# Allegro board pc065c_fibv2_toplevel_13_fix.brd (continued)
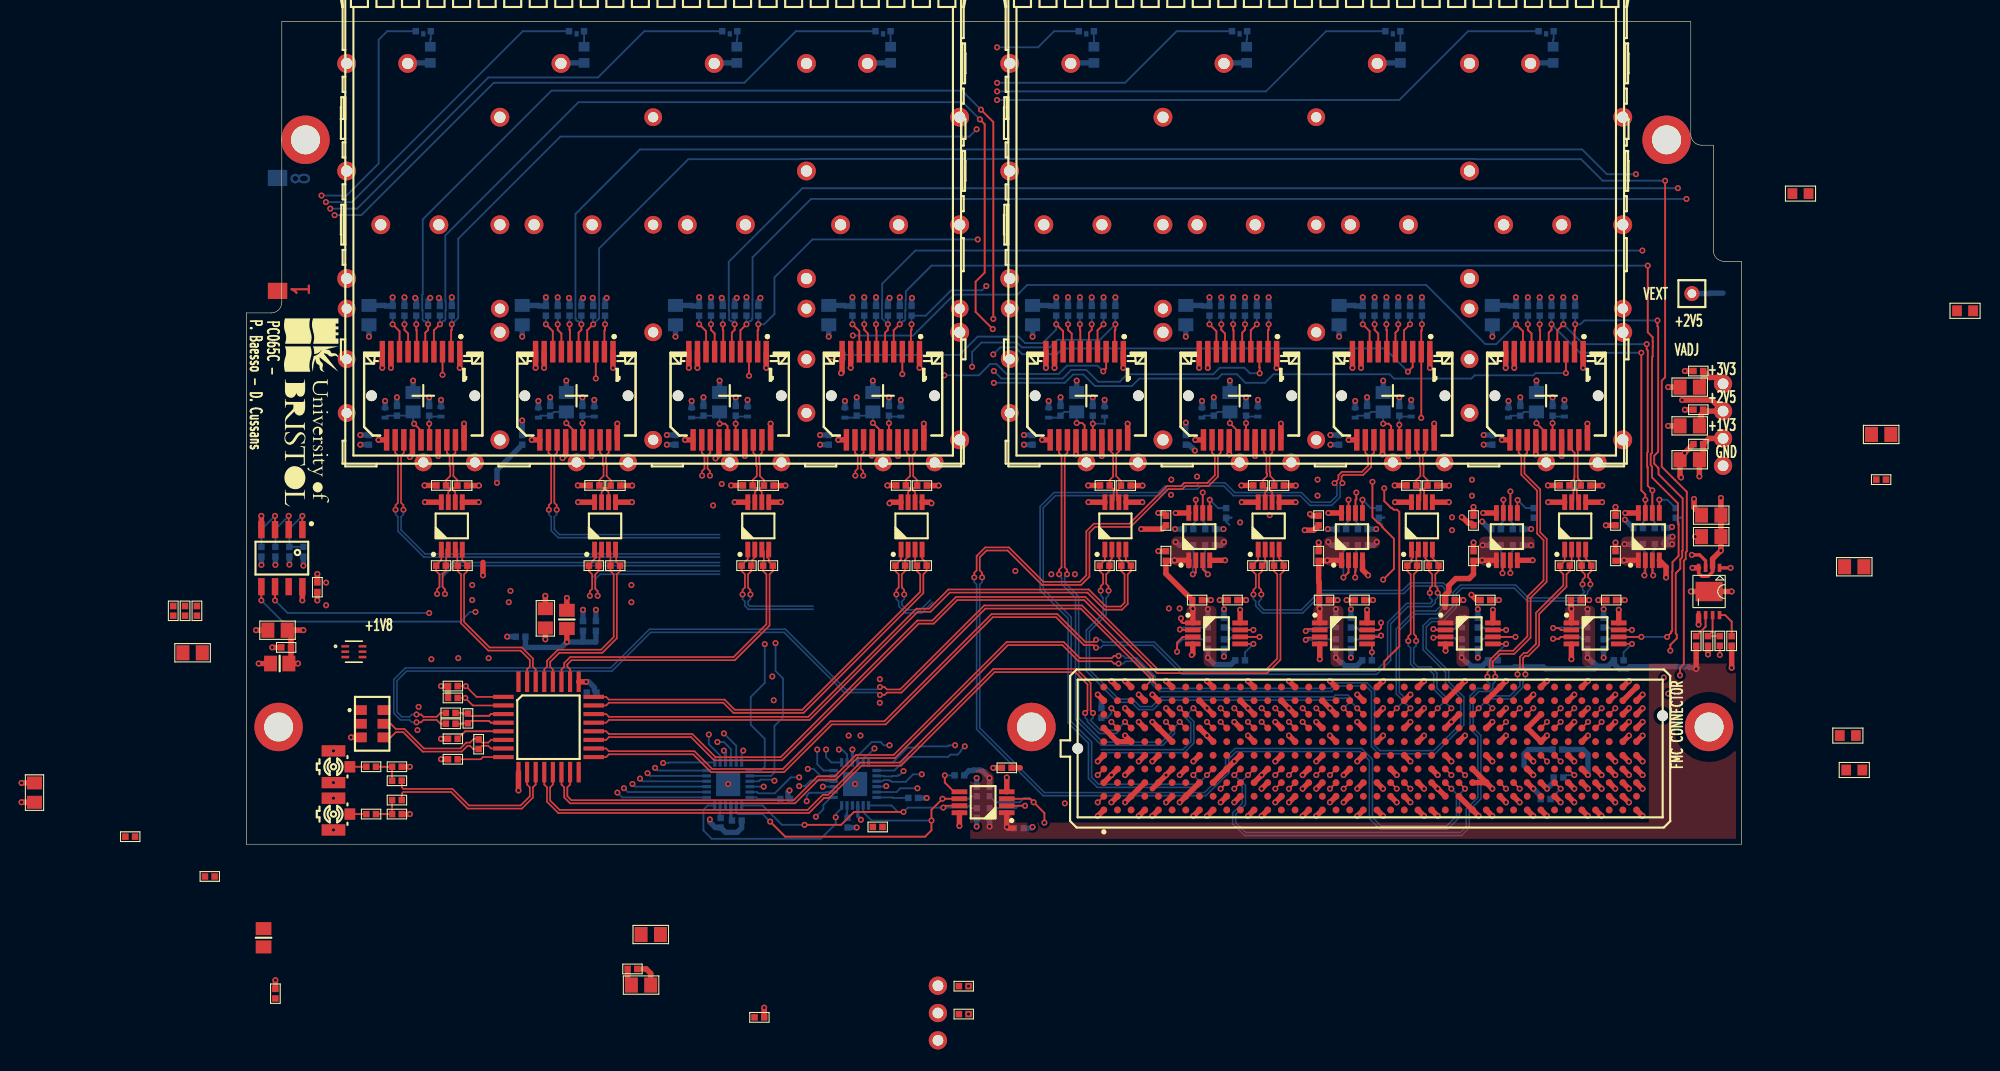
[diagram p0: board, top side]
## Nets (continued)
HB_N<16>: J2.F35
HB_N<17>: J2.K38
HB_N<18>: J2.J37
HB_N<19>: J2.E34
HB_N<20>: J2.F38
HB_N<21>: J2.E37
HB_P<0>: J2.K25
HB_P<1>: J2.J24
HB_P<2>: J2.F22
HB_P<3>: J2.E21
HB_P<4>: J2.F25
HB_P<5>: J2.E24
HB_P<6>: J2.K28
HB_P<7>: J2.J27
HB_P<8>: J2.F28
HB_P<9>: J2.E27
HB_P<10>: J2.K31
HB_P<11>: J2.J30
HB_P<12>: J2.F31
HB_P<13>: J2.E30
HB_P<14>: J2.K34
HB_P<15>: J2.J33
HB_P<16>: J2.F34
HB_P<17>: J2.K37
HB_P<18>: J2.J36
HB_P<19>: J2.E33
HB_P<20>: J2.F37
HB_P<21>: J2.E36
I2C_LED_0: DS1.2 IC23.1
I2C_LED_1: DS2.2 IC23.2
I2C_LED_2: DS3.2 IC23.3
I2C_LED_3: DS4.2 IC23.4
I2C_LED_4: DS5.2 IC23.5
I2C_LED_5: DS6.2 IC23.6
I2C_LED_6: DS7.2 IC23.7
I2C_LED_7: DS8.2 IC23.8
I2C_SCL: IC1.6 IC2.1 IC10.19 IC11.7 IC23.19 J1.2 R8.1 R94.1 R135.1
I2C_SCL_CVCC: IC11.2 J2.C30 R132.1
I2C_SDA: IC1.5 IC2.6 IC10.20(SDA) IC11.6 IC23.20(SDA) J1.3(A<2>) R10.1 R93.1 R134.1
I2C_SDA_CVCC: IC11.3 J2.C31 R131.1
MOD_ABS: J7.6 R26.1
MOD_ABS_1: J12.6 R38.1
MOD_ABS_2: J16.6 R46.1
MOD_ABS_3: J20.6 R54.1
MOD_ABS_4: J24.6 R103.1
MOD_ABS_5: J28.6 R111.1
MOD_ABS_6: J32.6 R119.1
MOD_ABS_7: J36.6 R127.1
PG_M2C: J2.F1
PGOOD_C2M: J2.D1 R62.1
PRSNT_L: J2.H2 R15.2(B<0>)
RD_FPGA_N<0>: J2.G10 J7.12
RD_FPGA_N<1>: J2.H32 J12.12
RD_FPGA_N<2>: J2.H35 J16.12
RD_FPGA_N<3>: J2.G13 J20.12
RD_FPGA_N<4>: J2.G7 J36.12
RD_FPGA_N<5>: J2.C27 J32.12
RD_FPGA_N<6>: J2.D9 J28.12
RD_FPGA_N<7>: J2.D12 J24.12
RD_FPGA_P<0>: J2.G9 J7.13
RD_FPGA_P<1>: J2.H31 J12.13
RD_FPGA_P<2>: J2.H34 J16.13
RD_FPGA_P<3>: J2.G12 J20.13
RD_FPGA_P<4>: J2.G6 J36.13
RD_FPGA_P<5>: J2.C26 J32.13
RD_FPGA_P<6>: J2.D8 J28.13
RD_FPGA_P<7>: J2.D11 J24.13
REC_CLK_FPGA_N: J2.H5
REC_CLK_FPGA_P: J2.H4
RST_I2C_B: IC10.24 IC23.24
RST_I2C_B_CVCC: J2.G31
SFP_FAULT<0>: IC10.10 J7.2 R24.2(B<0>)
SFP_FAULT<1>: IC10.11 J12.2 R36.2(B<0>)
SFP_FAULT<2>: IC10.12 J16.2 R44.2(B<0>)
SFP_FAULT<3>: IC10.13 J20.2 R52.2(B<0>)
SFP_FAULT<4>: IC10.14 J36.2 R125.2(B<0>)
SFP_FAULT<5>: IC10.15 J32.2 R117.2(B<0>)
SFP_FAULT<6>: IC10.16 J28.2 R109.2(B<0>)
SFP_FAULT<7>: IC10.17 J24.2 R101.2(B<0>)
SFP_I2C_SCL<0>: IC12.7 J7.5 R27.1 R140.1
SFP_I2C_SCL<1>: IC14.7 J12.5 R39.1 R145.1
SFP_I2C_SCL<2>: IC15.7 J16.5 R47.1 R150.1
SFP_I2C_SCL<3>: IC16.7 J20.5 R55.1 R155.1
SFP_I2C_SCL<4>: IC17.7 J36.5 R128.1 R160.1
SFP_I2C_SCL<5>: IC18.7 J32.5 R120.1 R165.1
SFP_I2C_SCL<6>: IC19.7 J28.5 R112.1 R170.1
SFP_I2C_SCL<7>: IC20.7 J24.5 R104.1 R175.1
SFP_I2C_SCL_CVCC<0>: IC12.2 J2.C11 R137.1
SFP_I2C_SCL_CVCC<1>: IC14.2 J2.G16 R142.1
SFP_I2C_SCL_CVCC<2>: IC15.2 J2.C15 R147.1
SFP_I2C_SCL_CVCC<3>: IC16.2 J2.G34 R152.1
SFP_I2C_SCL_CVCC<4>: IC17.2 J2.C19 R157.1
SFP_I2C_SCL_CVCC<5>: IC18.2 J2.D15 R162.1
SFP_I2C_SCL_CVCC<6>: IC19.2 J2.C23 R167.1
SFP_I2C_SCL_CVCC<7>: IC20.2 J2.G37 R172.1
SFP_I2C_SDA<0>: IC12.6 J7.4 R28.1 R139.1
SFP_I2C_SDA<1>: IC14.6 J12.4 R40.1 R144.1
SFP_I2C_SDA<2>: IC15.6 J16.4 R48.1 R149.1
SFP_I2C_SDA<3>: IC16.6 J20.4 R56.1 R154.1
SFP_I2C_SDA<4>: IC17.6 J36.4 R129.1 R159.1
SFP_I2C_SDA<5>: IC18.6 J32.4 R121.1 R164.1
SFP_I2C_SDA<6>: IC19.6 J28.4 R113.1 R169.1
SFP_I2C_SDA<7>: IC20.6 J24.4 R105.1 R174.1
SFP_I2C_SDA_CVCC<0>: IC12.3 J2.C10 R136.1
SFP_I2C_SDA_CVCC<1>: IC14.3 J2.G15 R141.1
SFP_I2C_SDA_CVCC<2>: IC15.3 J2.C14 R146.1
SFP_I2C_SDA_CVCC<3>: IC16.3 J2.G33 R151.1
SFP_I2C_SDA_CVCC<4>: IC17.3 J2.C18 R156.1
SFP_I2C_SDA_CVCC<5>: IC18.3 J2.D14 R161.1
SFP_I2C_SDA_CVCC<6>: IC19.3 J2.C22 R166.1
SFP_I2C_SDA_CVCC<7>: IC20.3 J2.G36 R171.1
SFP_LOS<0>: IC23.10 J7.8 R25.2(B<0>)
SFP_LOS<1>: IC23.11 J12.8 R37.2(B<0>)
SFP_LOS<2>: IC23.12 J16.8 R45.2(B<0>)
SFP_LOS<3>: IC23.13 J20.8 R53.2(B<0>)
SFP_LOS<4>: IC23.14 J36.8 R126.2(B<0>)
SFP_LOS<5>: IC23.15 J32.8 R118.2(B<0>)
SFP_LOS<6>: IC23.16 J28.8 R110.2(B<0>)
SFP_LOS<7>: IC23.17 J24.8 R102.2(B<0>)
SFP_TD_N: J7.19 R23.1 U3.6
SFP_TD_N_1: J12.19 R35.1 U4.6
SFP_TD_N_2: J16.19 R43.1 U5.6
SFP_TD_N_3: J20.19 R51.1 U6.6
SFP_TD_N_4: J24.19 R100.1 U7.6
SFP_TD_N_5: J28.19 R108.1 U8.6
SFP_TD_N_6: J32.19 R116.1 U9.6
SFP_TD_N_7: J36.19 R124.1 U10.6
SFP_TD_P: J7.18 R22.1 U3.7(Q_P)
SFP_TD_P_1: J12.18 R34.1 U4.7(Q_P)
SFP_TD_P_2: J16.18 R42.1 U5.7(Q_P)
SFP_TD_P_3: J20.18 R50.1 U6.7(Q_P)
SFP_TD_P_4: J24.18 R99.1 U7.7(Q_P)
SFP_TD_P_5: J28.18 R107.1 U8.7(Q_P)
SFP_TD_P_6: J32.18 R115.1 U9.7(Q_P)
SFP_TD_P_7: J36.18 R123.1 U10.7(Q_P)
SFP_TX_DISABLE<0>: IC10.1 J7.3
SFP_TX_DISABLE<1>: IC10.2 J12.3
SFP_TX_DISABLE<2>: IC10.3 J16.3
SFP_TX_DISABLE<3>: IC10.4 J20.3
SFP_TX_DISABLE<4>: IC10.5 J36.3
SFP_TX_DISABLE<5>: IC10.6 J32.3
SFP_TX_DISABLE<6>: IC10.7 J28.3
SFP_TX_DISABLE<7>: IC10.8 J24.3
TCK: J2.D29
TD_FFD_N<0>: J2.H8 R1.2(B<0>) U3.2
TD_FFD_N<1>: J2.H11 R187.2(B<0>) U4.2
TD_FFD_N<2>: J2.H14 R189.2(B<0>) U5.2
TD_FFD_N<3>: J2.H17 R191.2(B<0>) U6.2
TD_FFD_N<4>: J2.H20 R199.2(B<0>) U10.2
TD_FFD_N<5>: J2.H23 R197.2(B<0>) U9.2
TD_FFD_N<6>: J2.H26 R195.2(B<0>) U8.2
TD_FFD_N<7>: J2.H29 R193.2(B<0>) U7.2
TD_FFD_P<0>: J2.H7 R1.1 U3.1
TD_FFD_P<1>: J2.H10 R187.1 U4.1
TD_FFD_P<2>: J2.H13 R189.1 U5.1
TD_FFD_P<3>: J2.H16 R191.1 U6.1
TD_FFD_P<4>: J2.H19 R199.1 U10.1
TD_FFD_P<5>: J2.H22 R197.1 U9.1
TD_FFD_P<6>: J2.H25 R195.1 U8.1
TD_FFD_P<7>: J2.H28 R193.1 U7.1
TDI: J2.D30
TDO: J2.D31
TEMP_ALERT: IC2.3 R11.1
TMS: J2.D33
TRST_L: J2.D34
UNNAMED_1_CAPCERSMDCL2_I31_B: C34.2(B<0>) C35.2(B<0>) J7.15 L5.1
UNNAMED_1_CAPCERSMDCL2_I31_B_1: C43.2(B<0>) C44.2(B<0>) J12.15 L7.1
UNNAMED_1_CAPCERSMDCL2_I31_B_2: C48.2(B<0>) C49.2(B<0>) J16.15 L9.1
UNNAMED_1_CAPCERSMDCL2_I31_B_3: C53.2(B<0>) C54.2(B<0>) J20.15 L11.1
UNNAMED_1_CAPCERSMDCL2_I31_B_4: C62.2(B<0>) C63.2(B<0>) J24.15 L13.1
UNNAMED_1_CAPCERSMDCL2_I31_B_5: C67.2(B<0>) C68.2(B<0>) J28.15 L15.1
UNNAMED_1_CAPCERSMDCL2_I31_B_6: C72.2(B<0>) C73.2(B<0>) J32.15 L17.1
UNNAMED_1_CAPCERSMDCL2_I31_B_7: C77.2(B<0>) C78.2(B<0>) J36.15 L19.1
UNNAMED_1_CAPCERSMDCL2_I35_B: C33.2(B<0>) J7.16 L4.2(B<0>)
UNNAMED_1_CAPCERSMDCL2_I35_B_1: C42.2(B<0>) J12.16 L6.2(B<0>)
UNNAMED_1_CAPCERSMDCL2_I35_B_2: C47.2(B<0>) J16.16 L8.2(B<0>)
UNNAMED_1_CAPCERSMDCL2_I35_B_3: C52.2(B<0>) J20.16 L10.2(B<0>)
UNNAMED_1_CAPCERSMDCL2_I35_B_4: C61.2(B<0>) J24.16 L12.2(B<0>)
UNNAMED_1_CAPCERSMDCL2_I35_B_5: C66.2(B<0>) J28.16 L14.2(B<0>)
UNNAMED_1_CAPCERSMDCL2_I35_B_6: C71.2(B<0>) J32.16 L16.2(B<0>)
UNNAMED_1_CAPCERSMDCL2_I35_B_7: C76.2(B<0>) J36.16 L18.2(B<0>)
UNNAMED_1_CON20PSFP_I19_RATES_1: J12.7 R41.1
UNNAMED_1_CON20PSFP_I19_RATES_2: J16.7 R49.1
UNNAMED_1_CON20PSFP_I19_RATES_3: J20.7 R57.1
UNNAMED_1_CON20PSFP_I19_RATES_4: J24.7 R106.1
UNNAMED_1_CON20PSFP_I19_RATES_5: J28.7 R114.1
UNNAMED_1_CON20PSFP_I19_RATES_6: J32.7 R122.1
UNNAMED_1_CON20PSFP_I19_RATES_7: J36.7 R130.1
UNNAMED_1_CON20PSFP_I19_RATESEL: J7.7 R29.1
UNNAMED_1_RSMD0402_I7_B: IC11.5 R133.2(B<0>)
UNNAMED_1_RSMD0402_I7_B_1: IC12.5 R138.2(B<0>)
UNNAMED_1_RSMD0402_I7_B_2: IC14.5 R143.2(B<0>)
UNNAMED_1_RSMD0402_I7_B_3: IC15.5 R148.2(B<0>)
UNNAMED_1_RSMD0402_I7_B_4: IC16.5 R153.2(B<0>)
UNNAMED_1_RSMD0402_I7_B_5: IC17.5 R158.2(B<0>)
UNNAMED_1_RSMD0402_I7_B_6: IC18.5 R163.2(B<0>)
UNNAMED_1_RSMD0402_I7_B_7: IC19.5 R168.2(B<0>)
UNNAMED_1_RSMD0402_I7_B_8: IC20.5 R173.2(B<0>)
UNNAMED_4_FMCHPCGENERIC_I62_GA0: J2.C34 R16.2(B<0>)
UNNAMED_4_FMCHPCGENERIC_I62_GA1: J2.D35 R20.2(B<0>)
UNNAMED_5_24AA025E48_I9_A0: IC1.1 R201.1 R202.1
UNNAMED_5_24AA025E48_I9_A1: IC1.2 R204.1
UNNAMED_5_24AA025E48_I9_A2: IC1.3 R203.1
UNNAMED_7_CAPCERSMDCL2_I28_B: C101.2(B<0>) U11.8
UNNAMED_7_MP20075REG_I17_EN: R62.2(B<0>) R182.2(B<0>) U11.7
UNNAMED_7_MP20075REG_I17_REF: R183.2(B<0>) U11.6
UNNAMED_8_CAPCERSMDCL2_I154_B: C30.2(B<0>) R12.2(B<0>) R18.1
UNNAMED_8_CAPCERSMDCL2_I158_B: C121.2(B<0>) R17.2(B<0>) R19.1
UNNAMED_8_CAPCERSMDCL2_I167_A: C16.1 R2.1 U1.3
UNNAMED_8_CAPCERSMDCL2_I168_B: C18.2(B<0>) R2.2(B<0>) U1.4
UNNAMED_8_PCOAX_I121_A: PX3.1(A) R18.2(B<0>)
UNNAMED_8_PCOAX_I155_A: PX4.1(A) R19.2(B<0>)
UNNAMED_8_RSMD0402_I172_B: QZ1.1 R3.2(B<0>)
UNNAMED_13_RSMD0402_I6_B: IC10.18 R31.2(B<0>)
UNNAMED_13_RSMD0402_I8_B: IC10.23 R32.2(B<0>)
UNNAMED_13_RSMD0402_I45_B: IC23.18 R180.2(B<0>)
UNNAMED_13_RSMD0402_I46_B: IC23.23 R181.2(B<0>)
UNNAMED_13_RSMD0603_I76_A: DS1.1(K) R30.1
UNNAMED_13_RSMD0603_I77_A: DS2.1(K) R33.1
UNNAMED_13_RSMD0603_I78_A: DS3.1(K) R58.1
UNNAMED_13_RSMD0603_I79_A: DS4.1(K) R59.1
UNNAMED_13_RSMD0603_I80_A: DS5.1(K) R60.1
UNNAMED_13_RSMD0603_I81_A: DS6.1(K) R61.1
UNNAMED_13_RSMD0603_I82_A: DS7.1(K) R63.1
UNNAMED_13_RSMD0603_I83_A: DS8.1(K) R64.1
VADJ: F1.1 J2.E39 J2.F40 J2.G39 J2.H40
VIO_B_M2C: J2.J39 J2.K40
VREF_A_M2C: J2.H1
VREF_B_M2C: J2.K1

Pads without a net: IC1 7; IC10 22; IC23 22; J2 B40; NOREF#2 1; NOREF#3 1; NOREF#4 1; NOREF#5 1; NOREF#9 1; QZ1 2; SFP1 NC; SFP2 NC

## Via types
v1: diameter 0.56, hole 0.3, TOP to BOTTOM, 860 vias

## Routing (per net, layer and track width the routed paths; a pad name or vN(x,y) marks a point on that pad's centre or on a via; arc(x,y) is an arc through that point)
GND: length 1948.9
  TOP w0.3: U11.3 135.68,26.35 135.13,26.9 v1(134.4,26.9)
  TOP w0.5: 81.78,31.8 v1(83.31,31.8) ; J36.20 v1(81.94,39.1) ; J2.K3 v1(81.7,15.18) ; 116.56,9.54 v1(117.12,10.1) ; J20.11 v1(55.03,37.6) ; 79.72,10.8 81,9.54 J2.F3 v1(81.7,10.1) ; C82.1 v1(92.95,22.7) ; R5.1 R6.1 v1(18.1,14.7) ; J36.9 v1(75.14,44.3) ; J12.1 v1(34.09,44.3) ; J2.F18 v1(100.75,10.1) ; IC20.4 132,25.77 v1(132,24.8) ; J36.17 v1(79.54,36.09) ; U7.5 v1(126.06,31.8) ; J32.11 v1(88.23,37.6) ; v1(134.3,23.5) U11.9 v1(138.1,23.5) ; 86.08,9.54 v1(84.24,11.37) ; v1(133.4,34.1) 133.3,34.2 C37.1 ; 1.4,29.25 v1(1.4,30.53) ; C96.1 v1(127.3,31.36) ; C91.1 v1(99.7,28.05) ; J24.14 v1(119.89,36.24) ; 92.42,13.35 v1(93.13,12.64) J2.H12 ; J2.K12 v1(93.13,15.18) ; J24.20 v1(124.69,39.1) ; C100.1 134.6,31.3 v1(134.6,32.1) ; J7.10 v1(12.64,44.3) ; J2.A40 v1(129.82,2.62) ; J24.17 v1(122.29,36.09) ; J24.1 v1(124.29,44.3) ; v1(114.58,2.62) J2.A28 112.75,4.46 ; J7.11 v1(12.29,37.6) ; 89.58,26.4 v1(91,26.4) ; J32.10 v1(88.59,44.3) ; 94.97,3.19 v1(94.4,2.62) ; C88.1 v1(128.16,22.7) ; J32.1 v1(95.79,44.3) ; R17.1 v1(15.2,7.2) ; J2.B23 v1(108.23,3.89) ; C99.1 v1(134.7,28.6) ; 83.53,3.19 v1(82.97,2.62) ; 88.61,10.8 v1(89.32,10.1) J2.F9 ; R12.1 v1(15.2,2.8) ; C90.1 85.25,30.8 v1(84.79,30.8) ; R9.2 v1(18.1,9.8) ; 81,14.62 v1(80.43,15.18) ; J12.11 v1(26.54,37.6) ; 112.75,9.54 v1(113.31,10.1) ; 116.56,4.46 v1(117.12,3.89) ; J2.B14 v1(95.67,3.89) ; J2.J17 v1(100.75,12.64) J2.H18 ; IC14.4 v1(99.8,17.2) ; C95.1 v1(127.3,28.05) ; J20.17 v1(60.59,36.09) ; J12.10 v1(26.89,44.3) ; J2.E26 v1(112.04,7.7) ; 103.78,26.4 103.78,25.52 v1(104.3,25) ; J2.E17 v1(99.48,7.7) ; 92.42,8.27 v1(91.86,7.7) J2.D10 89.89,5.72 ; 127.98,4.46 v1(128.55,3.89) ; J2.H9 v1(89.32,12.64) 88.61,13.35 ; 125.44,7 v1(126.01,6.43) ; 114.02,7 J2.C29 ; J2.J38 v1(127.28,13.91) ; 83.53,8.27 v1(82.97,7.7) ; IC16.4 v1(123.2,17.2) ; v1(117.12,15.18) J2.J29 ; C6.1 v1(-20.91,3.9) ; 81,4.46 v1(80.43,3.89) ; J12.9 v1(27.69,44.3) ; QZ1.3 v1(9.73,9.93) ; v1(81.7,3.89) J2.B3 83.53,5.72 ; J2.H21 v1(105.69,12.64) ; J2.B19 v1(102.02,3.89) ; J2.F15 v1(96.94,10.1) ; J2.E32 v1(119.66,7.7) ; J2.J26 v1(113.31,15.18) ; 83.53,13.35 v1(82.97,13.91) ; 93.69,5.72 v1(94.4,6.43) J2.D13 ; 127.98,14.62 v1(128.55,15.18) ; J2.C32 v1(119.66,5.16) ; J2.A36 v1(124.74,2.62) ; C112.2 v1(6.6,25.13) ; J16.14 43.94,36.19 v1(43.62,35.88) ; J2.H33 J2.G32 120.36,9.54 v1(120.93,10.1) ; 70.7,4.88 v1(70.7,6.2) ; J2.G35 v1(123.47,11.37) ; 22,26.2 v1(22,25) ; J2.E29 v1(115.85,7.7) ; J2.J35 v1(123.47,13.91) ; 98.78,5.72 v1(98.21,5.16) ; J2.F24 v1(109.5,10.1) ; IC12.4 88,17.7 v1(87.9,17.6) ; C1.1 v1(133.75,44) ; 100.05,5.72 v1(99.48,5.16) ; J2.A29 v1(115.85,2.62) ; J28.11 v1(102.48,37.6) ; 120.36,14.62 v1(120.93,15.18) ; 86.08,12.07 v1(85.51,12.64) ; v1(58.14,36.13) 58.19,36.18 J20.14 ; J2.C29 J2.C28 ; J2.C29 v1(115.85,5.16) ; J2.K21 v1(105.69,15.18) ; IC15.4 v1(111.5,17.99) ; v1(15.2,36) 15.44,36.24 J7.14 ; 110.2,5.72 v1(110.77,5.16) J2.B26 ; R7.1 v1(18.1,7.9) ; J2.C38 v1(127.28,5.16) ; J32.9 v1(89.39,44.3) ; J2.F12 v1(93.13,10.1) ; 110.2,3.19 v1(110.77,2.62) ; C94.1 v1(114.1,31.36) ; 98.78,7 v1(98.21,6.43) ; C36.1 v1(133.72,36.38) ; J36.10 v1(74.34,44.3) ; C2.1 v1(132.19,42.5) ; v1(86.78,3.89) J2.B7 88.61,5.72 ; 92.42,10.8 v1(91.86,11.37) ; J32.20 v1(96.19,39.1) ; 117.83,4.46 v1(118.39,3.89) ; J24.11 v1(116.73,37.6) ; J2.B22 v1(106.96,3.89) ; 127.98,7 v1(128.55,6.43) ; C83.1 v1(101.45,22.7) ; J2.J23 v1(108.23,13.91) ; J2.D25 v1(110.77,6.43) ; 84.24,5.16 v1(85.51,6.43) 86.08,7 ; 108.94,5.72 v1(109.5,5.16) ; 122.91,4.46 v1(123.47,3.89) ; 96.23,10.8 v1(95.67,11.37) ; U3.5 v1(21.61,31.8) ; U5.5 v1(49.7,31.8) ; C7.1 v1(48.15,-15.2) ; J7.1 v1(19.84,44.3) ; J16.17 v1(46.34,36.09) ; J2.G29 v1(115.85,11.37) ; J7.17 v1(17.84,36.09) ; C93.1 v1(114.1,28.05) ; J2.G40 v1(129.82,11.37) ; U1.9 v1(25.3,5) ; v1(29.4,35.9) 29.69,36.19 J12.14 ; J2.E40 v1(129.82,7.7) ; J2.C33 v1(120.93,5.16) ; J2.C40 v1(129.82,5.16) ; C84.1 v1(104.75,22.7) ; J16.1 v1(48.34,44.3) ; J28.17 v1(108.04,36.09) ; J2.C36 v1(124.74,5.16) ; J20.1 v1(62.59,44.3) ; C15.1 37.18,-11.6 37.6,-12.02 C17.1 ; 84.81,3.19 v1(84.24,2.62) ; C92.1 99.05,30.55 v1(98.9,30.7) ; J28.9 v1(103.64,44.3) ; J16.11 v1(40.78,37.6) ; J2.E35 v1(123.47,7.7) ; J2.G26 v1(112.04,11.37) J2.H27 ; J2.H24 v1(109.5,12.64) ; C39.1 v1(132.19,38.9) ; 108.94,3.19 v1(109.5,2.62) ; J2.A33 v1(120.93,2.62) ; C81.1 v1(89.68,22.7) ; C85.1 v1(113.16,22.7) ; J2.D7 v1(86.78,6.43) ; U1.25 v1(31.6,15.1) ; 86.08,4.46 v1(85.51,3.89) ; J2.H15 v1(96.94,12.64) 96.23,13.35 ; J12.17 v1(32.09,36.09) ; J28.1 v1(110.04,44.3) ; 110.28,31.8 v1(111.81,31.8) ; J7.9 v1(13.44,44.3) ; 96.23,8.27 v1(95.67,7.7) ; 126.72,4.46 v1(127.28,3.89) ; J2.K9 v1(89.32,15.18) ; J20.20 v1(62.99,39.1) ; J2.D22 v1(106.96,6.43) ; J2.K15 v1(96.94,15.18) ; C80.1 71.95,7.1 ; J7.20 v1(20.24,39.1) ; IC19.4 v1(119.6,26.4) ; J2.H36 v1(124.74,12.64) ; J2.H3 v1(81.7,12.64) ; J2.G23 v1(108.23,11.37) ; 88.61,3.19 v1(88.05,2.62) ; J2.G17 v1(99.48,11.37) ; J24.9 v1(117.89,44.3) ; J2.B18 v1(100.75,3.89) ; 79.72,8.27 v1(79.16,7.7) ; 127.98,12.07 v1(128.55,12.64) ; 84.81,8.27 v1(84.24,7.7) ; 116.56,12.07 v1(117.12,12.64) ; J2.F21 v1(105.69,10.1) ; C89.1 v1(84.79,27.25) ; U9.5 v1(97.56,31.8) ; v1(63.7,31.7) 63.6,31.8 U6.5 ; 79.72,13.35 v1(79.16,13.91) ; 88.61,8.27 v1(88.05,7.7) ; 84.81,13.35 v1(84.24,13.91) ; 121.64,4.46 v1(122.2,3.89) ; 103.86,5.72 v1(103.29,5.16) ; 89.89,3.19 v1(89.32,2.62) ; 105.12,5.72 v1(105.69,5.16) ; J2.D3 v1(81.7,6.43) ; 127.98,9.54 v1(128.55,10.1) ; J36.1 v1(81.54,44.3) ; J20.10 55.39,45.75 55.44,45.7 55.44,45.1 55.39,45.05 55.39,43.89 v1(55.3,43.8) ; J2.B15 v1(96.94,3.89) ; C3.1 v1(27.8,19.05) ; 79.72,3.19 v1(79.16,2.62) ; J2.E38 v1(127.28,7.7) ; 94.97,5.72 v1(94.4,5.16) ; U4.5 v1(35.85,31.8) ; 103.86,3.19 v1(103.29,2.62) ; J2.J32 v1(119.66,13.91) ; J28.10 v1(102.84,44.3) ; v1(105.64,36.24) J28.14 ; J32.14 v1(91.39,36.24) ; J16.10 v1(41.14,44.3) ; J12.20 v1(34.49,39.1) ; J32.17 v1(93.79,36.09) ; 103.86,8.27 v1(103.29,7.7) ; 93.69,3.19 v1(93.13,2.62) ; C5.1 v1(2.4,18.3) ; J2.A32 v1(119.66,2.62) ; 100.05,3.19 v1(99.48,2.62) ; J2.A37 v1(126.01,2.62) ; C101.1 v1(138.1,16.4) ; 79.72,5.72 v1(80.43,6.43) 81,7 ; 98.78,3.19 v1(98.21,2.62) ; 86.08,14.62 v1(85.51,15.18) ; 105.12,3.19 v1(105.69,2.62) ; J2.E23 v1(108.23,7.7) ; J36.14 v1(77.14,36.24) ; J28.20 v1(110.44,39.1) ; C86.1 v1(116.45,22.7) ; J20.9 v1(56.19,44.3) ; 124.17,9.54 v1(124.74,10.1) ; C10.1 v1(2.7,-12.64) ; J16.9 v1(41.94,44.3) ; 124.17,14.62 v1(124.74,15.18) ; J16.20 v1(48.74,39.1) ; C8.1 v1(0.9,19.9) ; J2.K18 v1(100.75,15.18) ; J2.J40 v1(129.82,13.91) ; J2.D19 v1(102.02,6.43) ; 103.86,13.35 v1(103.29,13.91) ; 83.53,10.8 v1(82.97,11.37) ; J24.10 v1(117.09,44.3) ; J2.K24 v1(109.5,15.18) ; 103.86,10.8 v1(103.29,11.37) ; J36.11 v1(73.98,37.6) ; J2.G38 v1(127.28,11.37) ; J2.B11 v1(91.86,3.89) ; C38.1 v1(133.75,40.4) ; C87.1 v1(124.86,22.7) ; J2.B10 v1(90.59,3.89)
  L2_GND w0.5: 85.22,48.8 SFP2.25 ; SFP2.25 84.22,49.8 ; SFP2.25 85.99,50.56 ; SFP2.25 86.23,49.8 ; SFP2.25 84.46,50.56 ; SFP2.25 85.22,50.8 ; SFP2.25 85.99,49.04 ; SFP2.25 84.46,49.04 ; SFP2.33 128.77,48.4 ; SFP2.33 127.18,46.8 ; SFP2.33 127.18,48.4 ; SFP2.33 129.03,47.6 ; SFP2.33 128.77,46.8 ; SFP2.33 127.97,48.66 ; SFP2.33 127.97,46.55 ; SFP2.33 126.92,47.6 ; 87.6,56.8 SFP2.15 ; SFP2.15 89.2,58.4 ; SFP2.15 87.6,58.4 ; SFP2.15 88.4,58.66 ; SFP2.15 89.45,57.6 ; SFP2.15 89.2,56.8 ; SFP2.15 87.34,57.6 ; SFP2.15 88.4,56.55 ; 31.35,58.4 SFP1.16 ; SFP1.16 32.15,56.55 ; SFP1.16 33.2,57.6 ; SFP1.16 32.95,58.4 ; SFP1.16 31.35,56.8 ; SFP1.16 32.95,56.8 ; SFP1.16 31.09,57.6 ; SFP1.16 32.15,58.66 ; SFP1.12 12.5,58.66 ; SFP1.12 12.5,56.55 ; SFP1.12 11.7,58.4 ; SFP1.12 11.7,56.8 ; SFP1.12 11.45,57.6 ; SFP1.12 13.3,56.8 ; SFP1.12 13.55,57.6 ; SFP1.12 13.3,58.4 ; 59.85,56.8 SFP1.21 ; SFP1.21 61.45,58.4 ; SFP1.21 59.59,57.6 ; SFP1.21 60.65,58.66 ; SFP1.21 59.85,58.4 ; SFP1.21 61.7,57.6 ; SFP1.21 61.45,56.8 ; SFP1.21 60.65,56.55 ; SFP1.26 53.08,49.8 ; SFP1.26 51.31,50.56 ; SFP1.26 52.84,50.56 ; SFP1.26 52.08,48.8 ; SFP1.26 52.84,49.04 ; SFP1.26 51.31,49.04 ; SFP1.26 51.07,49.8 ; SFP1.26 52.08,50.8 ; SFP2.42 107.61,35.5 ; SFP2.42 107.36,36.26 ; SFP2.42 105.59,35.5 ; SFP2.42 105.84,34.74 ; SFP2.42 107.36,34.74 ; SFP2.42 106.6,36.51 ; SFP2.42 106.6,34.49 ; SFP2.42 105.84,36.26 ; SFP2.35 113.72,41.1 ; SFP2.35 112.96,39.34 ; SFP2.35 114.73,40.1 ; SFP2.35 114.49,39.34 ; SFP2.35 112.96,40.86 ; SFP2.35 113.72,39.09 ; SFP2.35 114.49,40.86 ; SFP2.35 112.72,40.1 ; SFP2.41 98.16,35.5 ; SFP2.41 97.15,34.49 ; SFP2.41 97.91,34.74 ; SFP2.41 96.39,34.74 ; SFP2.41 97.91,36.26 ; SFP2.41 96.39,36.26 ; SFP2.41 97.15,36.51 ; SFP2.41 96.14,35.5 ; SFP1.36 17.21,36.26 ; SFP1.36 15.45,35.5 ; SFP1.36 16.45,36.51 ; SFP1.36 16.45,34.49 ; SFP1.36 15.69,36.26 ; SFP1.36 17.45,35.5 ; SFP1.36 15.69,34.74 ; SFP1.36 17.21,34.74 ; SFP2.17 100.24,58.36 ; SFP2.17 99.47,58.6 ; SFP2.17 98.71,56.84 ; SFP2.17 100.48,57.6 ; SFP2.17 98.47,57.6 ; SFP2.17 98.71,58.36 ; SFP2.17 99.47,56.59 ; SFP2.17 100.24,56.84 ; 91.34,35.5 SFP2.39 ; SFP2.39 91.59,34.74 ; SFP2.39 93.11,34.74 ; SFP2.39 93.11,36.26 ; SFP2.39 93.36,35.5 ; SFP2.39 92.35,36.51 ; SFP2.39 91.59,36.26 ; SFP2.39 92.35,34.49 ; 9.32,62.6 10.12,63.4 ; 9.32,62.6 10.38,62.6 ; 9.32,62.6 9.32,63.66 ; 9.32,62.6 8.53,63.4 ; 9.32,62.6 8.53,61.8 ; 9.32,62.6 9.32,61.55 ; 9.32,62.6 10.12,61.8 ; 9.32,62.6 8.27,62.6 ; 137.3,34.16 J40.1 ; J40.1 136.52,35.97 ; J40.1 138.08,35.97 ; J40.1 136.27,35.19 ; J40.1 137.3,36.22 ; J40.1 138.08,34.41 ; J40.1 136.52,34.41 ; 76.65,71.55 SFP2.2 ; SFP2.2 77.7,72.6 ; SFP2.2 77.45,71.8 ; SFP2.2 75.85,73.4 ; SFP2.2 75.85,71.8 ; SFP2.2 75.59,72.6 ; SFP2.2 77.45,73.4 ; SFP2.2 76.65,73.66 ; SFP1.6 57.75,73.66 ; SFP1.6 58.55,73.4 ; SFP1.6 57.75,71.55 ; SFP1.6 56.95,71.8 ; SFP1.6 56.95,73.4 ; SFP1.6 58.8,72.6 ; SFP1.6 58.55,71.8 ; SFP1.6 56.7,72.6 ; 65.53,58.4 SFP1.22 ; SFP1.22 67.38,57.6 ; SFP1.22 66.33,56.55 ; SFP1.22 65.53,56.8 ; SFP1.22 66.33,58.66 ; SFP1.22 67.12,56.8 ; SFP1.22 67.12,58.4 ; SFP1.22 65.27,57.6 ; 17.1,58.4 SFP1.13 ; SFP1.13 17.9,56.55 ; SFP1.13 18.7,56.8 ; SFP1.13 18.95,57.6 ; SFP1.13 17.9,58.66 ; SFP1.13 18.7,58.4 ; SFP1.13 16.84,57.6 ; SFP1.13 17.1,56.8 ; 98.47,47.6 SFP2.31 ; SFP2.31 100.24,48.36 ; SFP2.31 100.24,46.84 ; SFP2.31 99.47,46.59 ; SFP2.31 98.71,46.84 ; SFP2.31 98.71,48.36 ; SFP2.31 100.48,47.6 ; SFP2.31 99.47,48.6 ; 98.71,36.84 SFP2.40 ; SFP2.40 98.47,37.6 ; SFP2.40 100.24,38.36 ; SFP2.40 99.47,38.6 ; SFP2.40 98.71,38.36 ; SFP2.40 99.47,36.59 ; 52.08,51.55 SFP1.27 ; SFP1.27 51.28,51.8 ; SFP1.27 52.87,51.8 ; SFP1.27 52.87,53.4 ; SFP1.27 51.28,53.4 ; SFP1.27 52.08,53.66 ; SFP1.27 53.13,52.6 ; SFP1.27 51.02,52.6 ; SFP2.23 70.97,50.8 ; SFP2.23 71.74,50.56 ; SFP2.23 69.97,49.8 ; SFP2.23 71.74,49.04 ; SFP2.23 71.98,49.8 ; SFP2.23 70.21,50.56 ; SFP2.23 70.21,49.04 ; SFP2.23 70.97,48.8 ; SFP1.28 66.33,50.8 ; SFP1.28 65.56,50.56 ; SFP1.28 67.09,49.04 ; SFP1.28 66.33,48.8 ; SFP1.28 65.56,49.04 ; SFP1.28 65.32,49.8 ; SFP1.28 67.33,49.8 ; SFP1.28 67.09,50.56 ; 112.96,44.34 SFP2.32 ; SFP2.32 112.96,45.86 ; SFP2.32 113.72,46.1 ; SFP2.32 113.72,44.09 ; SFP2.32 114.49,45.86 ; SFP2.32 114.73,45.1 ; SFP2.32 114.49,44.34 ; SFP2.32 112.72,45.1 ; SFP2.24 72.03,52.6 ; SFP2.24 70.18,53.4 ; SFP2.24 69.92,52.6 ; SFP2.24 71.77,51.8 ; SFP2.24 70.97,53.66 ; SFP2.24 70.97,51.55 ; SFP2.24 71.77,53.4 ; SFP2.24 70.18,51.8 ; 98.71,66.84 SFP2.8 ; SFP2.8 98.71,68.36 ; SFP2.8 100.24,66.84 ; SFP2.8 99.47,68.61 ; SFP2.8 98.47,67.6 ; SFP2.8 99.47,66.59 ; SFP2.8 100.48,67.6 ; SFP2.8 100.24,68.36 ; 70.18,73.4 SFP2.1 ; SFP2.1 71.77,73.4 ; SFP2.1 71.77,71.8 ; SFP2.1 69.92,72.6 ; SFP2.1 70.18,71.8 ; SFP2.1 70.97,71.55 ; SFP2.1 70.97,73.66 ; SFP2.1 72.03,72.6 ; SFP1.5 52.08,73.66 ; SFP1.5 51.02,72.6 ; SFP1.5 51.28,71.8 ; SFP1.5 53.13,72.6 ; SFP1.5 52.87,71.8 ; SFP1.5 52.87,73.4 ; SFP1.5 51.28,73.4 ; SFP1.5 52.08,71.55 ; 70.21,40.86 SFP2.34 ; SFP2.34 70.21,39.34 ; SFP2.34 70.97,39.09 ; SFP2.34 71.74,39.34 ; SFP2.34 71.74,40.86 ; SFP2.34 71.98,40.1 ; SFP2.34 70.97,41.1 ; SFP2.34 69.97,40.1 ; 112.93,63.4 SFP2.11 ; SFP2.11 113.72,63.66 ; SFP2.11 112.67,62.6 ; SFP2.11 113.72,61.55 ; SFP2.11 112.93,61.8 ; SFP2.11 114.78,62.6 ; SFP2.11 114.52,61.8 ; SFP2.11 114.52,63.4 ; SFP1.4 44.3,71.8 ; SFP1.4 44.3,73.4 ; SFP1.4 42.45,72.6 ; SFP1.4 42.7,71.8 ; SFP1.4 43.5,71.55 ; SFP1.4 42.7,73.4 ; SFP1.4 43.5,73.66 ; SFP1.4 44.55,72.6 ; SFP1.8 37.83,68.61 ; SFP1.8 38.59,68.36 ; SFP1.8 37.06,68.36 ; SFP1.8 36.82,67.6 ; SFP1.8 38.59,66.84 ; SFP1.8 37.83,66.59 ; SFP1.8 37.06,66.84 ; SFP1.8 38.83,67.6 ; SFP1.18 41.8,58.4 ; SFP1.18 40.2,56.8 ; SFP1.18 41.8,56.8 ; SFP1.18 39.95,57.6 ; SFP1.18 40.2,58.4 ; SFP1.18 41,58.66 ; SFP1.18 41,56.55 ; SFP1.18 42.05,57.6 ; 127.18,36.8 SFP2.46 ; SFP2.46 128.77,38.4 ; SFP2.46 129.03,37.6 ; SFP2.46 127.18,38.4 ; SFP2.46 126.92,37.6 ; SFP2.46 128.77,36.8 ; SFP2.46 127.97,36.55 ; SFP2.46 127.97,38.66 ; 37.06,48.36 SFP1.31 ; SFP1.31 38.59,46.84 ; SFP1.31 38.83,47.6 ; SFP1.31 37.06,46.84 ; SFP1.31 36.82,47.6 ; SFP1.31 38.59,48.36 ; SFP1.31 37.83,48.6 ; SFP1.31 37.83,46.59 ; 84.43,66.8 SFP2.7 ; SFP2.7 85.22,68.66 ; SFP2.7 84.17,67.6 ; SFP2.7 85.22,66.55 ; SFP2.7 86.28,67.6 ; SFP2.7 86.02,68.4 ; SFP2.7 86.02,66.8 ; SFP2.7 84.43,68.4 ; SFP2.37 83.66,36.26 ; SFP2.37 82.14,36.26 ; SFP2.37 82.14,34.74 ; SFP2.37 82.9,36.51 ; SFP2.37 83.66,34.74 ; SFP2.37 82.9,34.49 ; SFP2.37 81.89,35.5 ; SFP2.37 83.91,35.5 ; 51.31,39.34 SFP1.35 ; SFP1.35 53.08,40.1 ; SFP1.35 52.84,39.34 ; SFP1.35 52.08,39.09 ; SFP1.35 52.08,41.1 ; SFP1.35 52.84,40.86 ; SFP1.35 51.07,40.1 ; SFP1.35 51.31,40.86 ; 118.6,73.4 SFP2.6 ; SFP2.6 120.2,71.8 ; SFP2.6 118.34,72.6 ; SFP2.6 119.4,73.66 ; SFP2.6 118.6,71.8 ; SFP2.6 119.4,71.55 ; SFP2.6 120.2,73.4 ; SFP2.6 120.45,72.6 ; 112.96,49.04 SFP2.26 ; SFP2.26 113.72,50.8 ; SFP2.26 114.73,49.8 ; SFP2.26 114.49,50.56 ; SFP2.26 113.72,48.8 ; SFP2.26 114.49,49.04 ; SFP2.26 112.72,49.8 ; SFP2.26 112.96,50.56 ; 35.5,34.49 SFP1.41 ; SFP1.41 36.26,36.26 ; SFP1.41 35.5,36.51 ; SFP1.41 34.49,35.5 ; SFP1.41 34.74,36.26 ; SFP1.41 36.51,35.5 ; SFP1.41 34.74,34.74 ; SFP1.41 36.26,34.74 ; SFP2.38 86.02,38.4 ; SFP2.38 86.28,37.6 ; SFP2.38 85.22,36.55 ; SFP2.38 85.22,38.66 ; SFP2.38 84.43,38.4 ; SFP2.38 86.02,36.8 ; SFP2.38 84.43,36.8 ; SFP2.38 84.17,37.6 ; 65.53,68.4 SFP1.9 ; SFP1.9 66.33,68.66 ; SFP1.9 65.27,67.6 ; SFP1.9 67.12,66.8 ; SFP1.9 65.53,66.8 ; SFP1.9 67.38,67.6 ; SFP1.9 66.33,66.55 ; SFP1.9 67.12,68.4 ; SFP2.9 128.77,68.4 ; SFP2.9 127.97,68.66 ; SFP2.9 128.77,66.8 ; SFP2.9 127.97,66.55 ; SFP2.9 129.03,67.6 ; SFP2.9 127.18,68.4 ; SFP2.9 126.92,67.6 ; SFP2.9 127.18,66.8 ; SFP2.5 114.52,71.8 ; SFP2.5 114.52,73.4 ; SFP2.5 112.93,73.4 ; SFP2.5 114.78,72.6 ; SFP2.5 113.72,71.55 ; SFP2.5 112.67,72.6 ; SFP2.5 112.93,71.8 ; SFP2.5 113.72,73.66 ; SFP2.4 105.95,71.8 ; SFP2.4 104.35,71.8 ; SFP2.4 105.15,73.66 ; SFP2.4 105.15,71.55 ; SFP2.4 105.95,73.4 ; SFP2.4 104.09,72.6 ; SFP2.4 104.35,73.4 ; SFP2.4 106.2,72.6 ; 115.84,57.6 SFP2.20 ; SFP2.20 116.9,56.55 ; SFP2.20 116.1,56.8 ; SFP2.20 116.9,58.66 ; SFP2.20 117.7,56.8 ; SFP2.20 117.95,57.6 ; SFP2.20 117.7,58.4 ; SFP2.20 116.1,58.4 ; SFP1.33 66.33,48.66 ; SFP1.33 65.53,48.4 ; SFP1.33 67.38,47.6 ; SFP1.33 67.12,48.4 ; SFP1.33 65.53,46.8 ; SFP1.33 65.27,47.6 ; SFP1.33 67.12,46.8 ; SFP1.33 66.33,46.55 ; SFP1.44 60.2,35.5 ; SFP1.44 59.2,36.51 ; SFP1.44 59.96,36.26 ; SFP1.44 58.2,35.5 ; SFP1.44 58.44,34.74 ; SFP1.44 59.96,34.74 ; SFP1.44 58.44,36.26 ; SFP1.44 59.2,34.49 ; SFP1.19 47.2,56.8 ; SFP1.19 45.6,56.8 ; SFP1.19 47.2,58.4 ; SFP1.19 46.4,58.66 ; SFP1.19 46.4,56.55 ; SFP1.19 47.45,57.6 ; SFP1.19 45.34,57.6 ; SFP1.19 45.6,58.4 ; SFP1.2 15,73.66 ; SFP1.2 14.2,73.4 ; SFP1.2 15,71.55 ; SFP1.2 13.95,72.6 ; SFP1.2 16.05,72.6 ; SFP1.2 15.8,73.4 ; SFP1.2 15.8,71.8 ; SFP1.2 14.2,71.8 ; 122.3,56.55 SFP2.21 ; SFP2.21 122.3,58.66 ; SFP2.21 123.1,56.8 ; SFP2.21 121.5,56.8 ; SFP2.21 123.1,58.4 ; SFP2.21 121.25,57.6 ; SFP2.21 121.5,58.4 ; SFP2.21 123.36,57.6 ; 84.43,46.8 SFP2.30 ; SFP2.30 85.22,48.66 ; SFP2.30 84.17,47.6 ; SFP2.30 84.43,48.4 ; SFP2.30 86.02,48.4 ; SFP2.30 86.02,46.8 ; SFP2.30 85.22,46.55 ; SFP2.30 86.28,47.6 ; SFP2.12 74.95,56.8 ; SFP2.12 73.09,57.6 ; SFP2.12 74.15,58.66 ; SFP2.12 75.2,57.6 ; SFP2.12 73.35,56.8 ; SFP2.12 73.35,58.4 ; SFP2.12 74.95,58.4 ; SFP2.12 74.15,56.55 ; 9.32,52.6 10.38,52.6 ; 9.32,52.6 9.32,53.66 ; 9.32,52.6 8.53,53.4 ; 9.32,52.6 10.12,53.4 ; 9.32,52.6 9.32,51.55 ; 9.32,52.6 8.27,52.6 ; 9.32,52.6 10.12,51.8 ; 9.32,52.6 8.53,51.8 ; SFP2.43 112.41,35.5 ; SFP2.43 112.16,34.74 ; SFP2.43 110.64,36.26 ; SFP2.43 111.4,36.51 ; SFP2.43 111.4,34.49 ; SFP2.43 112.16,36.26 ; SFP2.43 110.39,35.5 ; SFP2.43 110.64,34.74 ; SFP2.22 127.97,58.66 ; SFP2.22 126.92,57.6 ; SFP2.22 127.18,58.4 ; SFP2.22 127.18,56.8 ; SFP2.22 128.77,58.4 ; SFP2.22 127.97,56.55 ; SFP2.22 129.03,57.6 ; SFP2.22 128.77,56.8 ; SFP2.13 80.35,56.8 ; SFP2.13 78.75,56.8 ; SFP2.13 79.55,56.55 ; SFP2.13 78.5,57.6 ; SFP2.13 78.75,58.4 ; SFP2.13 79.55,58.66 ; SFP2.13 80.61,57.6 ; SFP2.13 80.35,58.4 ; 65.53,36.8 SFP1.46 ; SFP1.46 66.33,38.66 ; SFP1.46 65.27,37.6 ; SFP1.46 65.53,38.4 ; SFP1.46 67.12,36.8 ; SFP1.46 67.38,37.6 ; SFP1.46 67.12,38.4 ; SFP1.46 66.33,36.55 ; SFP1.3 30.05,73.4 ; SFP1.3 30.3,72.6 ; SFP1.3 28.45,71.8 ; SFP1.3 30.05,71.8 ; SFP1.3 29.25,73.66 ; SFP1.3 29.25,71.55 ; SFP1.3 28.45,73.4 ; SFP1.3 28.2,72.6 ; 107.25,56.8 SFP2.19 ; SFP2.19 107.25,58.4 ; SFP2.19 108.85,58.4 ; SFP2.19 108.85,56.8 ; SFP2.19 108.05,58.66 ; SFP2.19 107,57.6 ; SFP2.19 108.05,56.55 ; SFP2.19 109.11,57.6 ; 8.32,40.1 9.32,40.1 ; 9.32,40.1 9.32,39.09 ; 9.32,40.1 10.09,40.86 ; 9.32,40.1 10.33,40.1 ; 9.32,40.1 9.32,41.1 ; 9.32,40.1 8.56,40.86 ; 9.32,40.1 8.56,39.34 ; 9.32,40.1 10.09,39.34 ; 70.18,63.4 SFP2.10 ; SFP2.10 70.18,61.8 ; SFP2.10 72.03,62.6 ; SFP2.10 71.77,61.8 ; SFP2.10 70.97,63.66 ; SFP2.10 71.77,63.4 ; SFP2.10 70.97,61.55 ; SFP2.10 69.92,62.6 ; SFP1.15 27.55,58.4 ; SFP1.15 25.95,56.8 ; SFP1.15 25.95,58.4 ; SFP1.15 25.7,57.6 ; SFP1.15 27.55,56.8 ; SFP1.15 26.75,58.66 ; SFP1.15 27.8,57.6 ; SFP1.15 26.75,56.55 ; 9.32,45.1 10.09,45.86 ; 9.32,45.1 9.32,46.1 ; 9.32,45.1 10.33,45.1 ; 9.32,45.1 8.56,45.86 ; 9.32,45.1 10.09,44.34 ; 9.32,45.1 9.32,44.09 ; 9.32,45.1 8.32,45.1 ; 9.32,45.1 8.56,44.34 ; 36.82,37.6 SFP1.40 ; SFP1.40 37.83,38.6 ; SFP1.40 37.06,38.36 ; SFP1.40 38.59,38.36 ; SFP1.40 37.83,36.59 ; SFP1.40 37.06,36.84 ; 127.97,48.8 SFP2.28 ; SFP2.28 127.21,49.04 ; SFP2.28 128.98,49.8 ; SFP2.28 127.97,50.8 ; SFP2.28 127.21,50.56 ; SFP2.28 126.97,49.8 ; SFP2.28 128.74,50.56 ; SFP2.28 128.74,49.04 ; 90.9,71.55 SFP2.3 ; SFP2.3 91.7,73.4 ; SFP2.3 89.84,72.6 ; SFP2.3 90.9,73.66 ; SFP2.3 91.95,72.6 ; SFP2.3 91.7,71.8 ; SFP2.3 90.1,73.4 ; SFP2.3 90.1,71.8 ; 29.7,35.5 SFP1.39 ; SFP1.39 30.7,36.51 ; SFP1.39 31.7,35.5 ; SFP1.39 29.94,34.74 ; SFP1.39 29.94,36.26 ; SFP1.39 31.46,36.26 ; SFP1.39 30.7,34.49 ; SFP1.39 31.46,34.74 ; SFP1.17 38.83,57.6 ; SFP1.17 37.06,56.84 ; SFP1.17 37.06,58.36 ; SFP1.17 36.82,57.6 ; SFP1.17 37.83,58.6 ; SFP1.17 38.59,58.36 ; SFP1.17 37.83,56.59 ; SFP1.17 38.59,56.84 ; 84.43,58.4 SFP2.14 ; SFP2.14 86.02,58.4 ; SFP2.14 84.17,57.6 ; SFP2.14 85.22,56.55 ; SFP2.14 84.43,56.8 ; SFP2.14 86.02,56.8 ; SFP2.14 85.22,58.66 ; SFP2.14 86.28,57.6 ; SFP1.7 24.37,68.4 ; SFP1.7 22.78,68.4 ; SFP1.7 24.37,66.8 ; SFP1.7 23.57,66.55 ; SFP1.7 22.78,66.8 ; SFP1.7 22.52,67.6 ; SFP1.7 23.57,68.66 ; SFP1.7 24.63,67.6 ; SFP2.29 70.97,46.1 ; SFP2.29 70.21,45.86 ; SFP2.29 70.21,44.34 ; SFP2.29 70.97,44.09 ; SFP2.29 71.74,45.86 ; SFP2.29 71.74,44.34 ; SFP2.29 71.98,45.1 ; 93,56.8 SFP2.16 ; SFP2.16 94.6,56.8 ; SFP2.16 94.6,58.4 ; SFP2.16 93.8,58.66 ; SFP2.16 92.75,57.6 ; SFP2.16 93,58.4 ; SFP2.16 94.86,57.6 ; SFP2.16 93.8,56.55 ; 23.57,36.55 SFP1.38 ; SFP1.38 24.37,38.4 ; SFP1.38 22.52,37.6 ; SFP1.38 23.57,38.66 ; SFP1.38 22.78,38.4 ; SFP1.38 24.63,37.6 ; SFP1.38 22.78,36.8 ; SFP1.38 24.37,36.8 ; 9.32,72.6 10.12,73.4 ; 9.32,72.6 9.32,71.55 ; 9.32,72.6 10.38,72.6 ; 9.32,72.6 9.32,73.66 ; 9.32,72.6 8.53,71.8 ; 9.32,72.6 10.12,71.8 ; 9.32,72.6 8.27,72.6 ; 9.32,72.6 8.53,73.4 ; 8.32,49.8 9.32,49.8 ; 9.32,49.8 8.56,49.04 ; 9.32,49.8 10.09,49.04 ; 9.32,49.8 9.32,48.8 ; 9.32,49.8 9.32,50.8 ; 9.32,49.8 10.33,49.8 ; 9.32,49.8 10.09,50.56 ; 9.32,49.8 8.56,50.56 ; SFP1.14 24.63,57.6 ; SFP1.14 24.37,58.4 ; SFP1.14 22.78,56.8 ; SFP1.14 23.57,58.66 ; SFP1.14 24.37,56.8 ; SFP1.14 23.57,56.55 ; SFP1.14 22.52,57.6 ; SFP1.14 22.78,58.4 ; SFP1.43 50.76,35.5 ; SFP1.43 49.75,36.51 ; SFP1.43 48.74,35.5 ; SFP1.43 50.51,34.74 ; SFP1.43 50.51,36.26 ; SFP1.43 49.75,34.49 ; SFP1.43 48.99,36.26 ; SFP1.43 48.99,34.74 ; SFP2.45 126.66,35.5 ; SFP2.45 125.65,34.49 ; SFP2.45 124.64,35.5 ; SFP2.45 125.65,36.51 ; SFP2.45 124.89,34.74 ; SFP2.45 126.41,34.74 ; SFP2.45 124.89,36.26 ; SFP2.45 126.41,36.26 ; 77.34,36.26 SFP2.36 ; SFP2.36 78.86,36.26 ; SFP2.36 78.86,34.74 ; SFP2.36 77.09,35.5 ; SFP2.36 78.1,34.49 ; SFP2.36 77.34,34.74 ; SFP2.36 79.11,35.5 ; SFP2.36 78.1,36.51 ; SFP2.44 121.61,36.26 ; SFP2.44 120.09,36.26 ; SFP2.44 120.85,36.51 ; SFP2.44 120.85,34.49 ; SFP2.44 120.09,34.74 ; SFP2.44 121.61,34.74 ; SFP2.44 119.84,35.5 ; SFP2.44 121.86,35.5 ; 54.2,57.6 SFP1.20 ; SFP1.20 55.25,58.66 ; SFP1.20 56.05,58.4 ; SFP1.20 55.25,56.55 ; SFP1.20 56.05,56.8 ; SFP1.20 54.45,58.4 ; SFP1.20 54.45,56.8 ; SFP1.20 56.3,57.6 ; 22.81,50.56 SFP1.25 ; SFP1.25 22.81,49.04 ; SFP1.25 24.34,49.04 ; SFP1.25 24.58,49.8 ; SFP1.25 24.34,50.56 ; SFP1.25 22.57,49.8 ; SFP1.25 23.57,50.8 ; SFP1.25 23.57,48.8 ; 21.25,34.49 SFP1.37 ; SFP1.37 22.01,34.74 ; SFP1.37 20.49,34.74 ; SFP1.37 22.01,36.26 ; SFP1.37 20.49,36.26 ; SFP1.37 20.25,35.5 ; SFP1.37 21.25,36.51 ; SFP1.37 22.25,35.5 ; 52.08,61.55 SFP1.11 ; SFP1.11 51.28,63.4 ; SFP1.11 51.02,62.6 ; SFP1.11 52.87,61.8 ; SFP1.11 53.13,62.6 ; SFP1.11 52.08,63.66 ; SFP1.11 51.28,61.8 ; SFP1.11 52.87,63.4 ; 44.95,34.49 SFP1.42 ; SFP1.42 45.71,36.26 ; SFP1.42 45.95,35.5 ; SFP1.42 45.71,34.74 ; SFP1.42 43.95,35.5 ; SFP1.42 44.19,34.74 ; SFP1.42 44.19,36.26 ; SFP1.42 44.95,36.51 ; SFP1.32 53.08,45.1 ; SFP1.32 52.08,46.1 ; SFP1.32 52.84,44.34 ; SFP1.32 52.08,44.09 ; SFP1.32 51.31,44.34 ; SFP1.32 51.07,45.1 ; SFP1.32 51.31,45.86 ; SFP1.32 52.84,45.86 ; SFP1.30 23.57,48.66 ; SFP1.30 24.63,47.6 ; SFP1.30 24.37,46.8 ; SFP1.30 22.78,46.8 ; SFP1.30 22.78,48.4 ; SFP1.30 23.57,46.55 ; SFP1.30 24.37,48.4 ; SFP1.30 22.52,47.6 ; 63.24,34.74 SFP1.45 ; SFP1.45 64,34.49 ; SFP1.45 62.99,35.5 ; SFP1.45 65,35.5 ; SFP1.45 64.76,36.26 ; SFP1.45 64,36.51 ; SFP1.45 64.76,34.74 ; SFP1.45 63.24,36.26 ; 113.72,51.55 SFP2.27 ; SFP2.27 113.72,53.66 ; SFP2.27 114.78,52.6 ; SFP2.27 112.93,53.4 ; SFP2.27 114.52,53.4 ; SFP2.27 112.67,52.6 ; SFP2.27 114.52,51.8 ; SFP2.27 112.93,51.8 ; SFP2.18 103.45,58.4 ; SFP2.18 101.59,57.6 ; SFP2.18 103.45,56.8 ; SFP2.18 102.65,58.66 ; SFP2.18 102.65,56.55 ; SFP2.18 101.85,58.4 ; SFP2.18 103.7,57.6 ; SFP2.18 101.85,56.8